# KiCad board paws60.kicad_pcb
title: Paws60; date: 2022-08-02; rev: 2; note: Copyright © 2022 HorrorTroll; note: MIT License
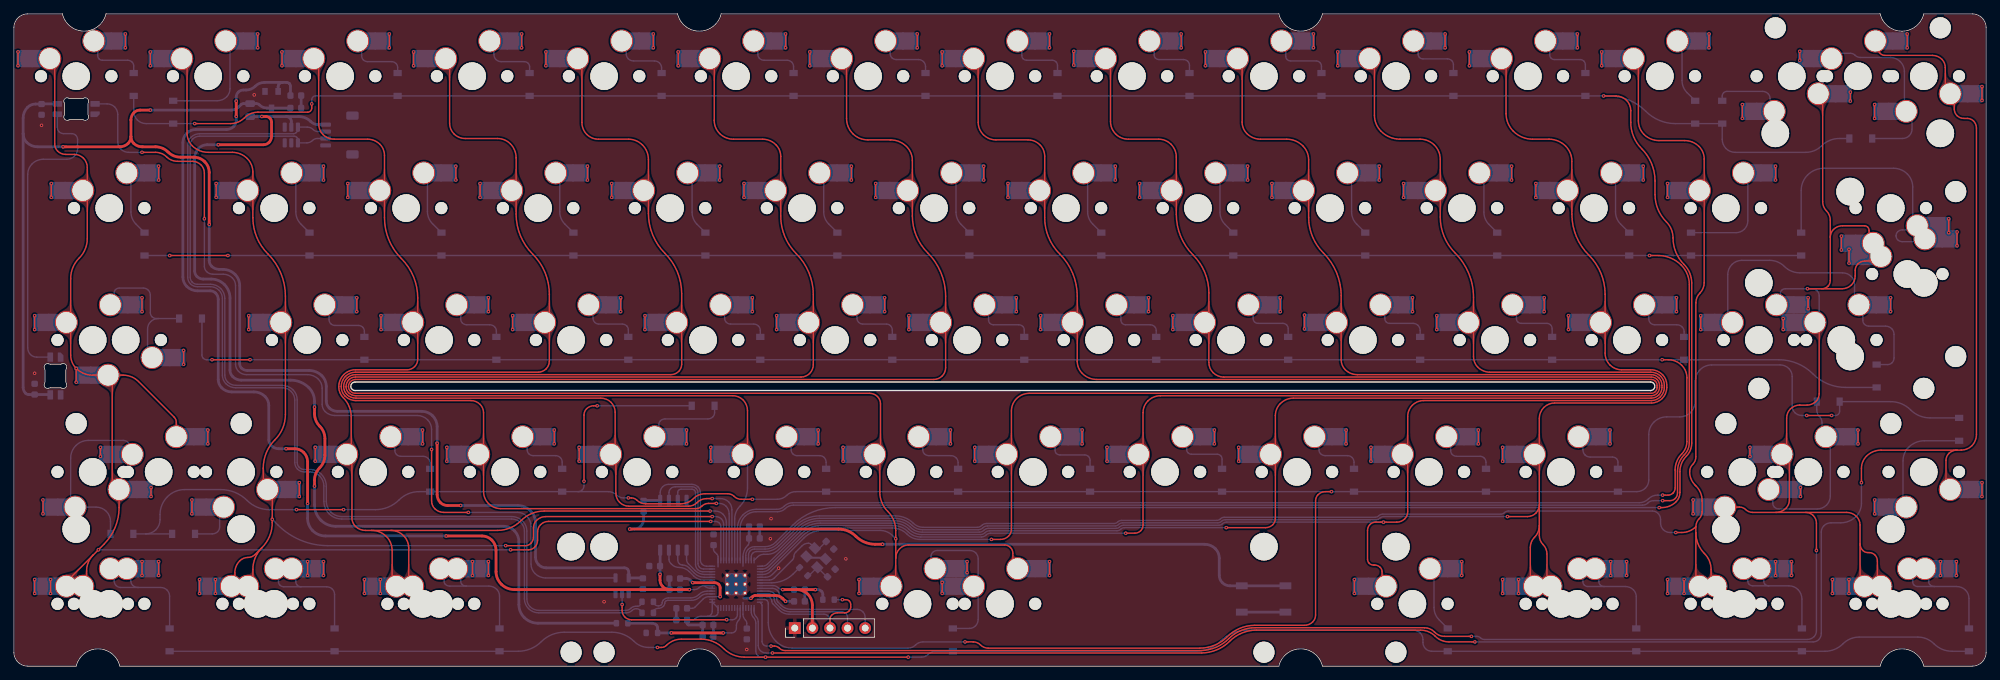
[diagram p0: board, top side]
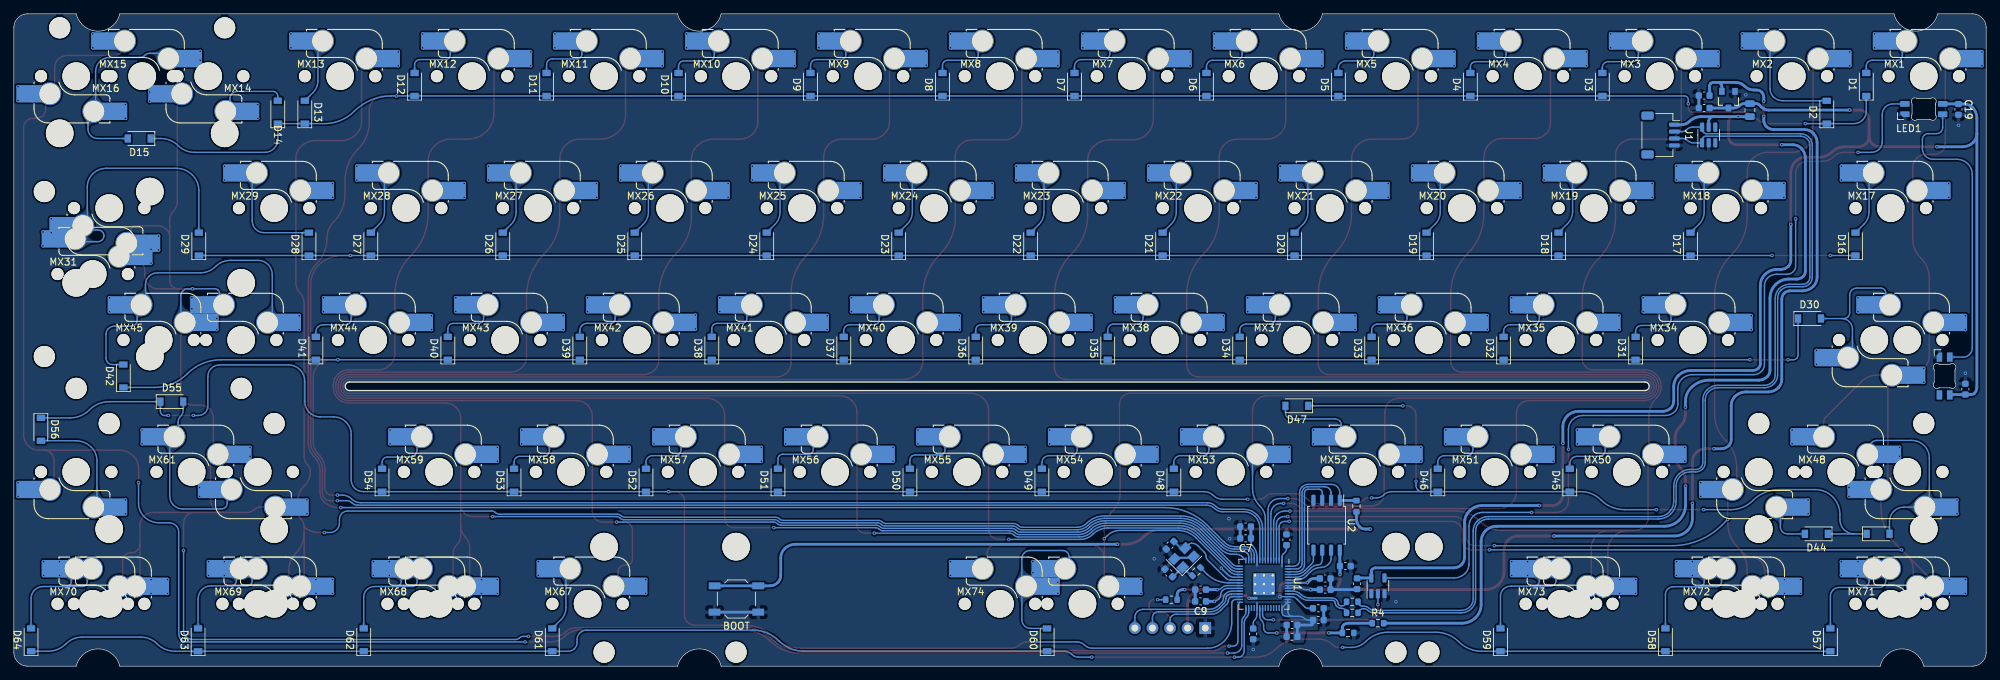
[diagram p1: board, bottom side, seen from below]

Outline 284.7 x 94.2 mm; copper layers: Top, Bottom. Coordinates in mm from the lower left corner of the outline.
Outline path: 0,92.2 arc(0.59,93.61) 2,94.2 7,94.2 arc(10.15,91.7) 13.3,94.2 95.8,94.2 arc(98.95,91.7) 102.1,94.2 182.6,94.2 arc(185.75,91.7) 188.9,94.2 269.4,94.2 arc(272.55,91.7) 275.7,94.2 282.7,94.2 arc(284.11,93.61) 284.7,92.2 284.7,2 arc(284.11,0.59) 282.7,0 275.7,0 arc(272.55,2.5) 269.4,0 188.9,0 arc(185.75,2.5) 182.6,0 102.1,0 arc(98.95,2.5) 95.8,0 15.3,0 arc(12.15,2.5) 9,0 2,0 arc(0.59,0.59) 0,2 0,92.2 ; 49.26,39.8 arc(48.64,40.42) 49.26,41.03 236.26,41.03 arc(236.87,40.42) 236.26,39.8 49.26,39.8
Stack: Top 0.035mm / dielectric 0.48mm FR4 er 4.5 / Bottom 0.035mm

## Placement (name value [footprint] x y rotation side)
BOOT  BOOT  [SW_SPST_TL3342]  180.4 9.7 0 bottom
C1  10u  [C_0603_1608Metric]  100.2 5.95 0 bottom
C2  100n  [C_0603_1608Metric]  96.4 6.65 180 bottom
C3  100n  [C_0603_1608Metric]  100.2 4.25 0 bottom
C4  100n  [C_0603_1608Metric]  105.8 4.65 270 bottom
C5  100n  [C_0603_1608Metric]  101 18.25 90 bottom
C6  100n  [C_0603_1608Metric]  106.9 20.15 0 bottom
C7  100n  [C_0603_1608Metric]  106.9 18.45 0 bottom
C8  100n  [C_0603_1608Metric]  113.4 11.05 0 bottom
C9  100n  [C_0603_1608Metric]  113.4 9.35 0 bottom
C10  100n  [C_0603_1608Metric]  96.4 8.35 180 bottom
C11  1u  [C_0603_1608Metric]  95.4 11.05 180 bottom
C12  1u  [C_0603_1608Metric]  95.4 12.65 180 bottom
C13  22p  [C_0603_1608Metric]  117.8 17.45 315 bottom
C14  22p  [C_0603_1608Metric]  118 13.45 45 bottom
C15  100n  [C_0603_1608Metric]  92.5 14.45 180 bottom
C16  1u  [C_0603_1608Metric]  40.7 80.6 0 bottom
C17  1u  [C_0603_1608Metric]  40.7 82.4 0 bottom
C18  100n  [C_0603_1608Metric]  90.8 11.9 270 bottom
C19  100n  [C_0603_1608Metric]  4 80.4 270 bottom
C20  100n  [C_0603_1608Metric]  3 40 90 bottom
D1  1N4148W  [D_SOD-123]  17.3 84 90 bottom
D2  1N4148W  [D_SOD-123]  23 80 90 bottom
D3  1N4148W  [D_SOD-123]  55.4 84 90 bottom
D4  1N4148W  [D_SOD-123]  74.45 84 90 bottom
D5  1N4148W  [D_SOD-123]  93.5 84 90 bottom
D6  1N4148W  [D_SOD-123]  112.55 84 90 bottom
D7  1N4148W  [D_SOD-123]  131.6 84 90 bottom
D8  1N4148W  [D_SOD-123]  150.65 84 90 bottom
D9  1N4148W  [D_SOD-123]  169.7 84 90 bottom
D10  1N4148W  [D_SOD-123]  188.75 84 90 bottom
D11  1N4148W  [D_SOD-123]  207.8 84 90 bottom
D12  1N4148W  [D_SOD-123]  226.85 84 90 bottom
D13  1N4148W  [D_SOD-123]  242.7 80 90 bottom
D14  1N4148W  [D_SOD-123]  246.6 80 90 bottom
D15  1N4148W  [D_SOD-123]  266.6 76.2 0 bottom
D16  1N4148W  [D_SOD-123]  18.86 60.95 90 bottom
D17  1N4148W  [D_SOD-123]  42.68 60.95 90 bottom
D18  1N4148W  [D_SOD-123]  61.73 60.95 90 bottom
D19  1N4148W  [D_SOD-123]  80.78 60.95 90 bottom
D20  1N4148W  [D_SOD-123]  99.83 60.95 90 bottom
D21  1N4148W  [D_SOD-123]  118.88 60.95 90 bottom
D22  1N4148W  [D_SOD-123]  137.93 60.95 90 bottom
D23  1N4148W  [D_SOD-123]  156.98 60.95 90 bottom
D24  1N4148W  [D_SOD-123]  176.03 60.95 90 bottom
D25  1N4148W  [D_SOD-123]  195.08 60.95 90 bottom
D26  1N4148W  [D_SOD-123]  214.13 60.95 90 bottom
D27  1N4148W  [D_SOD-123]  233.18 60.95 90 bottom
D28  1N4148W  [D_SOD-123]  242.1 60.95 90 bottom
D29  1N4148W  [D_SOD-123]  258 60.95 90 bottom
D30  1N4148W  [D_SOD-123]  25.5 50.2 180 bottom
D31  1N4148W  [D_SOD-123]  50.6 45.9 90 bottom
D32  1N4148W  [D_SOD-123]  69.65 45.9 90 bottom
D33  1N4148W  [D_SOD-123]  88.7 45.9 90 bottom
D34  1N4148W  [D_SOD-123]  107.75 45.9 90 bottom
D35  1N4148W  [D_SOD-123]  126.8 45.9 90 bottom
D36  1N4148W  [D_SOD-123]  145.85 45.9 90 bottom
D37  1N4148W  [D_SOD-123]  164.9 45.9 90 bottom
D38  1N4148W  [D_SOD-123]  183.95 45.9 90 bottom
D39  1N4148W  [D_SOD-123]  203 45.9 90 bottom
D40  1N4148W  [D_SOD-123]  222.05 45.9 90 bottom
D41  1N4148W  [D_SOD-123]  241.1 45.9 90 bottom
D42  1N4148W  [D_SOD-123]  268.89 41.9 90 bottom
D43  1N4148W  [D_SOD-123]  15.6 19.1 180 bottom
D44  1N4148W  [D_SOD-123]  24.5 19.1 0 bottom
D45  1N4148W  [D_SOD-123]  60.1 26.85 90 bottom
D46  1N4148W  [D_SOD-123]  79.15 26.85 90 bottom
D47  1N4148W  [D_SOD-123]  99.5 37.6 0 bottom
D48  1N4148W  [D_SOD-123]  117.25 26.85 90 bottom
D49  1N4148W  [D_SOD-123]  136.3 26.85 90 bottom
D50  1N4148W  [D_SOD-123]  155.35 26.85 90 bottom
D51  1N4148W  [D_SOD-123]  174.4 26.85 90 bottom
D52  1N4148W  [D_SOD-123]  193.45 26.85 90 bottom
D53  1N4148W  [D_SOD-123]  212.5 26.85 90 bottom
D54  1N4148W  [D_SOD-123]  231.55 26.85 90 bottom
D55  1N4148W  [D_SOD-123]  261.9 38.2 180 bottom
D56  1N4148W  [D_SOD-123]  280.8 34.2 270 bottom
D57  1N4148W  [D_SOD-123]  22.48 3.8 90 bottom
D58  1N4148W  [D_SOD-123]  46.29 3.8 90 bottom
D59  1N4148W  [D_SOD-123]  70.11 3.8 90 bottom
D60  1N4148W  [D_SOD-123]  135.54 3.8 90 bottom
D61  1N4148W  [D_SOD-123]  206.98 3.8 90 bottom
D62  1N4148W  [D_SOD-123]  234.19 3.8 90 bottom
D63  1N4148W  [D_SOD-123]  258.11 3.8 90 bottom
D64  1N4148W  [D_SOD-123]  282.22 3.8 90 bottom
ESD1  SRV05-4  [SOT-23-6]  40.05 76.71 90 bottom
F1  500mA  [Fuse_0805_2012Metric]  34.1 80.3 90 bottom
G***  LOGO  [Raspberry-Pi-logo-small]  163.3 7.1 180 bottom
G***#2  LOGO  [QMK-VIA-logo-small]  163.3 13.76 180 bottom
J1  USB Daughterboard  [JST_SH_SM04B-SRSS-TB_1x04-1MP_P1.00mm_Horizontal]  47 76.7 270 bottom
J2  SWD Debug  [PinHeader_1x05_P2.54mm_Vertical]  112.73 5.5 90 top
LED1  SK6812MINI-E  [LED_6028R]  9 80.45 180 bottom
LED2  SK6812MINI-E  [LED_6028R]  6 41.9 270 bottom
MX1  1u  [SW_MX_HS_1u]  9 85.2 180 bottom
MX2  1u  [SW_MX_HS_1u]  28.05 85.2 180 bottom
MX3  1u  [SW_MX_HS_1u]  47.1 85.2 180 bottom
MX4  1u  [SW_MX_HS_1u]  66.15 85.2 180 bottom
MX5  1u  [SW_MX_HS_1u]  85.2 85.2 180 bottom
MX6  1u  [SW_MX_HS_1u]  104.25 85.2 180 bottom
MX7  1u  [SW_MX_HS_1u]  123.3 85.2 180 bottom
MX8  1u  [SW_MX_HS_1u]  142.35 85.2 180 bottom
MX9  1u  [SW_MX_HS_1u]  161.4 85.2 180 bottom
MX10  1u  [SW_MX_HS_1u]  180.45 85.2 180 bottom
MX11  1u  [SW_MX_HS_1u]  199.5 85.2 180 bottom
MX12  1u  [SW_MX_HS_1u]  218.55 85.2 180 bottom
MX13  1u  [SW_MX_HS_1u]  237.6 85.2 180 bottom
MX14  1u  [SW_MX_HS_1u]  256.65 85.2 0 bottom
MX15  2u  [SW_MX_HS_1u]  266.18 85.2 180 bottom
MX16  1u  [SW_MX_HS_1u]  275.7 85.2 0 bottom
MX17  1.5u  [SW_MX_HS_1.5u]  13.76 66.15 180 bottom
MX18  1u  [SW_MX_HS_1u]  37.58 66.15 180 bottom
MX19  1u  [SW_MX_HS_1u]  56.63 66.15 180 bottom
MX20  1u  [SW_MX_HS_1u]  75.68 66.15 180 bottom
MX21  1u  [SW_MX_HS_1u]  94.73 66.15 180 bottom
MX22  1u  [SW_MX_HS_1u]  113.78 66.15 180 bottom
MX23  1u  [SW_MX_HS_1u]  132.83 66.15 180 bottom
MX24  1u  [SW_MX_HS_1u]  151.88 66.15 180 bottom
MX25  1u  [SW_MX_HS_1u]  170.93 66.15 180 bottom
MX26  1u  [SW_MX_HS_1u]  189.98 66.15 180 bottom
MX27  1u  [SW_MX_HS_1u]  209.03 66.15 180 bottom
MX28  1u  [SW_MX_HS_1u]  228.08 66.15 180 bottom
MX29  1u  [SW_MX_HS_1u]  247.13 66.15 180 bottom
MX30  1.5u  [SW_MX_HS_1.5u]  270.94 66.15 0 bottom
MX31  ISO  [SW_MX_HS_1u]  273.32 56.63 180 bottom
MX32  1.25u  [SW_MX_HS_1.75u_stp]  11.38 47.1 180 bottom
MX33  1.75u  [SW_MX_HS_1.75u]  16.14 47.1 0 bottom
MX34  1u  [SW_MX_HS_1u]  42.34 47.1 180 bottom
MX35  1u  [SW_MX_HS_1u]  61.39 47.1 180 bottom
MX36  1u  [SW_MX_HS_1u]  80.44 47.1 180 bottom
MX37  1u  [SW_MX_HS_1u]  99.49 47.1 180 bottom
MX38  1u  [SW_MX_HS_1u]  118.54 47.1 180 bottom
MX39  1u  [SW_MX_HS_1u]  137.59 47.1 180 bottom
MX40  1u  [SW_MX_HS_1u]  156.64 47.1 180 bottom
MX41  1u  [SW_MX_HS_1u]  175.69 47.1 180 bottom
MX42  1u  [SW_MX_HS_1u]  194.74 47.1 180 bottom
MX43  1u  [SW_MX_HS_1u]  213.79 47.1 180 bottom
MX44  1u  [SW_MX_HS_1u]  232.84 47.1 180 bottom
MX45  2.25u  [SW_MX_HS_1u]  263.79 47.1 180 bottom
MX46  1u  [SW_MX_HS_1u]  251.89 47.1 180 bottom
MX47  1.25u  [SW_MX_HS_1.25u]  11.38 28.05 0 bottom
MX48  2.25u  [SW_MX_HS_1u]  20.91 28.05 180 bottom
MX49  1u  [SW_MX_HS_1u]  32.81 28.05 0 bottom
MX50  1u  [SW_MX_HS_1u]  51.86 28.05 180 bottom
MX51  1u  [SW_MX_HS_1u]  70.91 28.05 180 bottom
MX52  1u  [SW_MX_HS_1u]  89.96 28.05 180 bottom
MX53  1u  [SW_MX_HS_1u]  109.01 28.05 180 bottom
MX54  1u  [SW_MX_HS_1u]  128.06 28.05 180 bottom
MX55  1u  [SW_MX_HS_1u]  147.11 28.05 180 bottom
MX56  1u  [SW_MX_HS_1u]  166.16 28.05 180 bottom
MX57  1u  [SW_MX_HS_1u]  185.21 28.05 180 bottom
MX58  1u  [SW_MX_HS_1u]  204.26 28.05 180 bottom
MX59  1u  [SW_MX_HS_1u]  223.31 28.05 180 bottom
MX60  1.75u  [SW_MX_HS_1.75u]  249.51 28.05 0 bottom
MX61  2.75u  [SW_MX_HS_1u]  259.03 28.05 180 bottom
MX62  1u  [SW_MX_HS_1u]  275.7 28.05 0 bottom
MX63  1.25u  [SW_MX_HS_1.25u]  11.38 9 180 bottom
MX64  1.25u  [SW_MX_HS_1.25u]  35.19 9 180 bottom
MX65  1.25u  [SW_MX_HS_1.25u]  59.01 9 180 bottom
MX66  6.25u  [SW_MX_HS_1u]  130.44 9 180 bottom
MX67  1.25u  [SW_MX_HS_1.25u]  201.88 9 180 bottom
MX68  1.25u  [SW_MX_HS_1.25u]  225.69 9 180 bottom
MX69  1.25u  [SW_MX_HS_1.25u]  249.51 9 180 bottom
MX70  1.25u  [SW_MX_HS_1.25u]  273.32 9 180 bottom
MX71  1.5u  [SW_MX_HS_1.5u]  13.76 9 180 bottom
MX72  1u  [SW_MX_HS_1u]  37.58 9 180 bottom
MX73  1.5u  [SW_MX_HS_1.5u]  61.39 9 180 bottom
MX74  7u  [SW_MX_HS_1u]  142.35 9 180 bottom
MX75  1.5u  [SW_MX_HS_1.5u]  223.31 9 180 bottom
MX76  1u  [SW_MX_HS_1u]  247.13 9 180 bottom
MX77  1.5u  [SW_MX_HS_1.5u]  270.94 9 180 bottom
R1  10K  [R_0603_1608Metric]  117.6 9.6 0 bottom
R2  1K  [R_0603_1608Metric]  114 13.65 315 bottom
R3  1K  [R_0603_1608Metric]  90.9 23.1 90 bottom
R4  2K2  [R_0603_1608Metric]  87.8 6.2 0 bottom
R5  5K1  [R_0603_1608Metric]  92.1 4.8 180 bottom
R6  27R  [R_0603_1608Metric]  91.5 9.3 180 bottom
R7  27R  [R_0603_1608Metric]  91.5 7.7 180 bottom
RG1  XC6206P332MR  [Torex-XC6206P332MR]  37.2 81.8 270 bottom
S1  2u  [STAB_MX_2u]  266.18 85.2 0 top
S2  2.25u  [STAB_MX_2.25u]  263.79 47.1 180 top
S3  ISO  [STAB_MX_ISO_FLIPPED]  273.32 56.63 0 top
S4  2.25u  [STAB_MX_2.25u]  20.91 28.05 0 top
S5  2.75u  [STAB_MX_2.75u]  259.03 28.05 0 top
S6  6.25u  [STAB_MX_6.25u]  130.44 9 0 bottom
S7  7u  [STAB_MX_7u]  142.35 9 0 bottom
U1  RP2040  [RP2040-QFN-56]  104.25 11.83 270 bottom
U2  W25Q128JVS  [SOIC-8_5.23x5.23mm_P1.27mm]  95.2 20.35 270 bottom
U3  74LVC1G17  [SOT-23-5]  87.8 11.6 90 bottom
Y1  12Mhz  [Crystal_SMD_3225-4Pin_3.2x2.5mm]  115.8 15.65 135 bottom

## Library data of the parts
BOOT = -: LCSC Part Number: C2886894
C1-C20 = -: Description: Unpolarized capacitor
D1-D64 = -: Description: Diode; LCSC Part Number: C115103
ESD1 = -: Description: ESD Protection Diodes with Low Clamping Voltage, SOT-23-6
F1 = -: Description: Resettable fuse, polymeric positive temperature coefficient
J1 = -: Description: Generic connector, single row, 01x04, script generated (kicad-library-utils/schlib/autogen/connector/)
J2 = -: Description: Generic connector, single row, 01x05, script generated (kicad-library-utils/schlib/autogen/connector/)
LED1 LED2 = -: Description: Reverse mount adressable LED (WS2812 protocol); Field4: 1
MX1-MX77 = -: Description: Push button switch, normally open, two pins, 45° tilted
R1-R7 = -: Description: Resistor
RG1 = -: LCSC Part Number: C5446
S1-S7 = -: Description: Cherry MX-style stabilizer
U2 = -: Description: 128Mb Serial Flash Memory, Standard/Dual/Quad SPI, SOIC-8; LCSC Part Number: C113767
U3 = -: Description: Single Schmitt Buffer Gate, Low-Voltage CMOS; LCSC: C7484
Y1 = -: Description: Four pin crystal, GND on pins 2 and 4

## Footprints (pads in the part's own frame, mm; a bottom-side part is the same pattern mirrored in y, then rotated)
C_0603_1608Metric
  rrect 0.9x0.95 smd: 1(-0.775,0) 2(0.775,0)
Crystal_SMD_3225-4Pin_3.2x2.5mm
  rect 1.4x1.2 smd: 1(-1.1,-0.85) 2(1.1,-0.85) 3(1.1,0.85) 4(-1.1,0.85)
D_SOD-123
  rect 0.9x1.2 smd: 1(-1.65,0) 2(1.65,0)
Fuse_0805_2012Metric
  rrect 0.975x1.4 smd: 1(-0.938,0) 2(0.938,0)
JST_SH_SM04B-SRSS-TB_1x04-1MP_P1.00mm_Horizontal
  rrect 0.6x1.55 smd: 1(-1.5,2) 2(-0.5,2) 3(0.5,2) 4(1.5,2)
  rrect 1.2x1.8 smd: MP(-2.8,-1.875) MP(2.8,-1.875)
LED_6028R
  rrect 1.35x0.82 smd: 1(2.725,0.75) 2(2.725,-0.75) 3(-2.725,0.75) 4(-2.725,-0.75)
PinHeader_1x05_P2.54mm_Vertical
  rect 1.7x1.7 hole 1: 1(0,0)
  oval 1.7x1.7 hole 1: 2(0,-2.54) 3(0,-5.08) 4(0,-7.62) 5(0,-10.16)
R_0603_1608Metric
  rrect 0.8x0.95 smd: 1(-0.825,0) 2(0.825,0)
RP2040-QFN-56
  rrect 1.084x1.084 smd: (-0.637,-0.637) (-0.637,0.637) (0.637,-0.637) (0.637,0.637)
  rrect 0.875x0.2 smd: 1(-3.438,2.6) 2(-3.438,2.2) 3(-3.438,1.8) 4(-3.438,1.4) 5(-3.438,1) 6(-3.438,0.6) 7(-3.438,0.2) 8(-3.438,-0.2) 9(-3.438,-0.6) 10(-3.438,-1) 11(-3.438,-1.4) 12(-3.438,-1.8) 13(-3.438,-2.2) 14(-3.438,-2.6) 29(3.438,-2.6) 30(3.438,-2.2) 31(3.438,-1.8) 32(3.438,-1.4) 33(3.438,-1) 34(3.438,-0.6) 35(3.438,-0.2) 36(3.438,0.2) 37(3.438,0.6) 38(3.438,1) 39(3.438,1.4) 40(3.438,1.8) 41(3.438,2.2) 42(3.438,2.6)
  rrect 0.2x0.875 smd: 15(-2.6,-3.438) 16(-2.2,-3.438) 17(-1.8,-3.438) 18(-1.4,-3.438) 19(-1,-3.438) 20(-0.6,-3.438) 21(-0.2,-3.438) 22(0.2,-3.438) 23(0.6,-3.438) 24(1,-3.438) 25(1.4,-3.438) 26(1.8,-3.438) 27(2.2,-3.438) 28(2.6,-3.438) 43(2.6,3.438) 44(2.2,3.438) 45(1.8,3.438) 46(1.4,3.438) 47(1,3.438) 48(0.6,3.438) 49(0.2,3.438) 50(-0.2,3.438) 51(-0.6,3.438) 52(-1,3.438) 53(-1.4,3.438) 54(-1.8,3.438) 55(-2.2,3.438) 56(-2.6,3.438)
  round 0.6 hole 0.35: 57(-1.275,-1.275) 57(-1.275,0) 57(-1.275,1.275) 57(0,-1.275) 57(0,0) 57(0,1.275) 57(1.275,-1.275) 57(1.275,0) 57(1.275,1.275)
  rrect 3.2x3.2 smd: 57(0,0)
SOIC-8_5.23x5.23mm_P1.27mm
  rrect 1.6x0.6 smd: 1(-3.6,1.905) 2(-3.6,0.635) 3(-3.6,-0.635) 4(-3.6,-1.905) 5(3.6,-1.905) 6(3.6,-0.635) 7(3.6,0.635) 8(3.6,1.905)
SOT-23-5
  rrect 1.325x0.6 smd: 1(-1.137,0.95) 2(-1.137,0) 3(-1.137,-0.95) 4(1.137,-0.95) 5(1.137,0.95)
SOT-23-6
  rrect 1.325x0.6 smd: 1(-1.137,0.95) 2(-1.137,0) 3(-1.137,-0.95) 4(1.137,-0.95) 5(1.137,0) 6(1.137,0.95)
STAB_MX_2.25u
  round 3.048 hole 3.048 unplated: (-11.906,6.985) (11.906,6.985)
  round 3.988 hole 3.988 unplated: (-11.906,-8.255) (11.906,-8.255)
STAB_MX_2.75u
  round 3.048 hole 3.048 unplated: (-11.906,6.985) (11.906,6.985)
  round 3.988 hole 3.988 unplated: (-11.906,-8.255) (11.906,-8.255)
STAB_MX_2u
  round 3.048 hole 3.048 unplated: (-11.906,6.985) (11.906,6.985)
  round 3.988 hole 3.988 unplated: (-11.906,-8.255) (11.906,-8.255)
STAB_MX_6.25u
  round 3.988 hole 3.988 unplated: (-50.006,-8.255) (50.006,-8.255)
  round 3.048 hole 3.048 unplated: (-50.006,6.985) (50.006,6.985)
STAB_MX_7u
  round 3.988 hole 3.988 unplated: (-57.15,-8.255) (57.15,-8.255)
  round 3.048 hole 3.048 unplated: (-57.15,6.985) (57.15,6.985)
STAB_MX_ISO_FLIPPED
  round 3.988 hole 3.988 unplated: (-8.255,11.906) (-8.255,-11.906)
  round 3.048 hole 3.048 unplated: (6.985,11.906) (6.985,-11.906)
SW_MX_HS_1.5u
  round 1.75 hole 1.75 unplated: (-5.08,0) (5.08,0)
  round 3.988 hole 3.988 unplated: (0,0)
  round 3.3 hole 3: 1(3.81,2.54) 2(-2.54,5.08)
  rect 1.65x2.5 smd: 1(5.635,2.54) 2(-4.34,5.08)
  rrect 2.55x2.5 smd: 1(7.36,2.54) 2(-6.09,5.08)
SW_MX_HS_1.25u
  round 1.75 hole 1.75 unplated: (-5.08,0) (5.08,0)
  round 3.988 hole 3.988 unplated: (0,0)
  round 3.3 hole 3: 1(3.81,2.54) 2(-2.54,5.08)
  rect 1.65x2.5 smd: 1(5.635,2.54) 2(-4.34,5.08)
  rrect 2.55x2.5 smd: 1(7.36,2.54) 2(-6.09,5.08)
SW_MX_HS_1.75u
  round 1.75 hole 1.75 unplated: (-5.08,0) (5.08,0)
  round 3.988 hole 3.988 unplated: (0,0)
  round 3.3 hole 3: 1(3.81,2.54) 2(-2.54,5.08)
  rect 1.65x2.5 smd: 1(5.635,2.54) 2(-4.34,5.08)
  rrect 2.55x2.5 smd: 1(7.36,2.54) 2(-6.09,5.08)
SW_MX_HS_1.75u_stp
  round 1.75 hole 1.75 unplated: (-5.08,0) (5.08,0)
  round 3.988 hole 3.988 unplated: (0,0)
  round 3.3 hole 3: 1(3.81,2.54) 2(-2.54,5.08)
  rect 1.65x2.5 smd: 1(5.635,2.54) 2(-4.34,5.08)
  rrect 2.55x2.5 smd: 1(7.36,2.54) 2(-6.09,5.08)
SW_MX_HS_1u
  round 1.75 hole 1.75 unplated: (-5.08,0) (5.08,0)
  round 3.988 hole 3.988 unplated: (0,0)
  round 3.3 hole 3: 1(3.81,2.54) 2(-2.54,5.08)
  rect 1.65x2.5 smd: 1(5.635,2.54) 2(-4.34,5.08)
  rrect 2.55x2.5 smd: 1(7.36,2.54) 2(-6.09,5.08)
SW_SPST_TL3342
  rect 1.7x1 smd: 1(-3.15,1.9) 1(3.15,1.9) 2(-3.15,-1.9) 2(3.15,-1.9)
Torex-XC6206P332MR
  rect 1x0.8 smd: 1(-1.2,0.95) 2(-1.2,-0.95) 3(1.2,0)

## Nets
+1V1: C9.1 C10.1 C12.1 U1.23 U1.45 U1.50
+3V3: C1.1 C2.1 C3.1 C4.1 C5.1 C6.1 C7.1 C8.1 C11.1 C15.1 C17.1 J2.2 R1.1 RG1.2 U1.1 U1.10 U1.22 U1.33 U1.42 U1.43 U1.44 U1.48 U1.49 U2.8
+5V: C16.1 C18.1 C19.1 C20.1 F1.2 LED1.1 LED2.1 RG1.3 U3.5
/VBUS_DETECT: R4.2 R5.1 U1.34
GND: BOOT.1 C1.2 C2.2 C3.2 C4.2 C5.2 C6.2 C7.2 C8.2 C9.2 C10.2 C11.2 C12.2 C13.2 C14.2 C15.2 C16.2 C17.2 C18.2 C19.2 C20.2 ESD1.2 J1.4 J2.1 LED1.4 LED2.4 R5.2 RG1.1 U1.19 U1.57 U2.4 U3.3 Y1.2 Y1.4
VBUS: ESD1.5 F1.1 J1.1 R4.1
/DM: ESD1.6 J1.2 R7.2
/DP: ESD1.1 J1.3 R6.2
/~{USB_BOOT}: BOOT.2 R3.1
ARGB_3V3: U1.35 U3.2
ARGB_5V: LED1.3 U3.4
Col0: MX1.1 MX17.1 MX32.1 MX33.2 MX47.1 MX48.2 MX63.1 MX71.1 U1.2
Col1: MX2.1 MX18.1 MX34.1 MX49.1 MX64.1 MX72.1 U1.3
Col2: MX3.1 MX19.1 MX35.1 MX50.1 MX65.1 MX73.1 U1.4
Col3: MX4.1 MX20.1 MX36.1 MX51.1 U1.5
Col4: MX5.1 MX21.1 MX37.1 MX52.1 U1.6
Col5: MX6.1 MX22.1 MX38.1 MX53.1 U1.7
Col6: MX7.1 MX23.1 MX39.1 MX54.1 MX66.1 MX74.2 U1.18
Col7: MX8.1 MX24.1 MX40.1 MX55.1 U1.17
Col8: MX9.1 MX25.1 MX41.1 MX56.1 U1.16
Col9: MX10.1 MX26.1 MX42.1 MX57.1 U1.15
Col10: MX11.1 MX27.1 MX43.1 MX58.1 MX67.1 U1.14
Col11: MX12.1 MX28.1 MX44.1 MX59.1 MX68.1 MX75.1 U1.13
Col12: MX13.1 MX29.1 MX69.1 MX76.1 U1.12
Col13: MX14.1 MX30.2 MX31.1 MX45.1 MX46.2 MX60.2 MX61.1 MX70.1 MX77.1 U1.28
Col14: MX15.2 MX16.1 MX62.1 U1.29
D+: R6.1 U1.47
D-: R7.1 U1.46
FLASH_nCS: R3.2 U1.56 U2.1
FLASH_SCK: U1.52 U2.6
FLASH_SD0: U1.53 U2.5
FLASH_SD1: U1.55 U2.2
FLASH_SD2: U1.54 U2.3
FLASH_SD3: U1.51 U2.7
Row0: D1.1 D2.1 D3.1 D4.1 D5.1 D6.1 D7.1 D8.1 D9.1 D10.1 D11.1 D12.1 D13.1 D14.1 D15.1 U1.11
Row1: D16.1 D17.1 D18.1 D19.1 D20.1 D21.1 D22.1 D23.1 D24.1 D25.1 D26.1 D27.1 D28.1 D29.1 U1.9
Row2: D30.1 D31.1 D32.1 D33.1 D34.1 D35.1 D36.1 D37.1 D38.1 D39.1 D40.1 D41.1 D42.1 U1.8
Row3: D43.1 D44.1 D45.1 D46.1 D47.1 D48.1 D49.1 D50.1 D51.1 D52.1 D53.1 D54.1 D55.1 D56.1 U1.27
Row4: D57.1 D58.1 D59.1 D60.1 D61.1 D62.1 D63.1 D64.1 U1.30
SWCLK: J2.5 U1.24
SWDIO: J2.4 U1.25
XTAL1: C13.1 U1.20 Y1.3
XTAL2: R2.1 U1.21
~{NRST}: J2.3 R1.2 U1.26
Net-(C14-Pad1): C14.1 R2.2 Y1.1
Net-(D1-A): D1.2 MX1.2
Net-(D2-A): D2.2 MX2.2
Net-(D3-A): D3.2 MX3.2
Net-(D4-A): D4.2 MX4.2
Net-(D5-A): D5.2 MX5.2
Net-(D6-A): D6.2 MX6.2
Net-(D7-A): D7.2 MX7.2
Net-(D8-A): D8.2 MX8.2
Net-(D9-A): D9.2 MX9.2
Net-(D10-A): D10.2 MX10.2
Net-(D11-A): D11.2 MX11.2
Net-(D12-A): D12.2 MX12.2
Net-(D13-A): D13.2 MX13.2
Net-(D14-A): D14.2 MX14.2
Net-(D15-A): D15.2 MX15.1 MX16.2
Net-(D16-A): D16.2 MX17.2
Net-(D17-A): D17.2 MX18.2
Net-(D18-A): D18.2 MX19.2
Net-(D19-A): D19.2 MX20.2
Net-(D20-A): D20.2 MX21.2
Net-(D21-A): D21.2 MX22.2
Net-(D22-A): D22.2 MX23.2
Net-(D23-A): D23.2 MX24.2
Net-(D24-A): D24.2 MX25.2
Net-(D25-A): D25.2 MX26.2
Net-(D26-A): D26.2 MX27.2
Net-(D27-A): D27.2 MX28.2
Net-(D28-A): D28.2 MX29.2
Net-(D29-A): D29.2 MX30.1 MX31.2
Net-(D30-A): D30.2 MX32.2 MX33.1
Net-(D31-A): D31.2 MX34.2
Net-(D32-A): D32.2 MX35.2
Net-(D33-A): D33.2 MX36.2
Net-(D34-A): D34.2 MX37.2
Net-(D35-A): D35.2 MX38.2
Net-(D36-A): D36.2 MX39.2
Net-(D37-A): D37.2 MX40.2
Net-(D38-A): D38.2 MX41.2
Net-(D39-A): D39.2 MX42.2
Net-(D40-A): D40.2 MX43.2
Net-(D41-A): D41.2 MX44.2
Net-(D42-A): D42.2 MX45.2 MX46.1
Net-(D43-A): D43.2 MX47.2 MX48.1
Net-(D44-A): D44.2 MX49.2
Net-(D45-A): D45.2 MX50.2
Net-(D46-A): D46.2 MX51.2
Net-(D47-A): D47.2 MX52.2
Net-(D48-A): D48.2 MX53.2
Net-(D49-A): D49.2 MX54.2
Net-(D50-A): D50.2 MX55.2
Net-(D51-A): D51.2 MX56.2
Net-(D52-A): D52.2 MX57.2
Net-(D53-A): D53.2 MX58.2
Net-(D54-A): D54.2 MX59.2
Net-(D55-A): D55.2 MX60.1 MX61.2
Net-(D56-A): D56.2 MX62.2
Net-(D57-A): D57.2 MX63.2 MX71.2
Net-(D58-A): D58.2 MX64.2 MX72.2
Net-(D59-A): D59.2 MX65.2 MX73.2
Net-(D60-A): D60.2 MX66.2 MX74.1
Net-(D61-A): D61.2 MX67.2
Net-(D62-A): D62.2 MX68.2 MX75.2
Net-(D63-A): D63.2 MX69.2 MX76.2
Net-(D64-A): D64.2 MX70.2 MX77.2
Net-(LED1-DOUT): LED1.2 LED2.3

Pads without a net: ESD1 3 4; J1 MP; LED2 2; U1 31 32 36 37 38 39 40 41; U3 1

## Via types
v1: diameter 0.5, hole 0.25, Top to Bottom, 398 vias

## Routing (per net, layer and track width the routed paths; a pad name or vN(x,y) marks a point on that pad's centre or on a via; arc(x,y) is an arc through that point)
+1V1: length 28.8
  Top w0.4: v1(101.95,10.03) 101.95,11.32 arc(101.9,11.58) 101.75,11.8 arc(101.47,11.99) 101.14,12.05 v1(98,12.05) ; v1(111.4,9.35) 110.99,9.77 arc(110.5,10.09) 109.93,10.2 107.01,10.2 arc(106.82,10.17) 106.66,10.06 v1(106.4,9.8)
  Bottom w0.2: U1.50 98.02,12.03 v1(98,12.05) ; C10.1 97.95,8.35 arc(98.14,8.39) 98.3,8.5 99.47,9.67 arc(99.87,9.94) 100.35,10.03 U1.45 101.91,10.03 v1(101.95,10.03) 101.92,10.03 101.92,10.03 ; U1.23 109.48,11.23 arc(109.89,11.15) 110.23,10.92 arc(110.43,10.62) 110.5,10.27 arc(110.56,9.98) 110.73,9.73 arc(111.14,9.45) 111.63,9.35 v1(111.4,9.35)
  Bottom w0.4: v1(111.4,9.35) C9.1 ; 105.36,9.81 106.39,9.81 v1(106.4,9.8) ; v1(98,12.05) 97.63,12.43 arc(97.38,12.59) 97.08,12.65 C12.1
+3V3: length 214.6
  Top w0.4: 94.72,11.05 72.27,11.05 arc(71.23,11.26) 70.35,11.85 arc(69.8,12.68) 69.6,13.66 69.6,16.74 arc(69.44,17.53) 68.99,18.21 arc(68.34,18.65) 67.56,18.8 v1(62.4,18.8) ; 94.72,11.05 v1(97.5,11.05) ; 94.72,11.05 arc(94.15,11.17) 93.66,11.49 arc(93.37,11.92) 93.27,12.42 v1(93.27,13.26) ; v1(42.4,23.5) 42.4,29.52 arc(42.26,30.24) 41.85,30.85 arc(41.24,31.26) 40.53,31.4 v1(39.3,31.4) ; 113.01,11.05 115.65,11.05 ; 113.01,11.05 v1(111,11.05) ; 113.01,11.05 arc(113.87,10.88) 114.61,10.39 arc(115.09,9.66) 115.27,8.81 J2.2 ; 115.65,11.05 v1(115.69,11.05) 115.65,11.05 ; v1(32.1,81.6) v1(32.1,79.4)
  Bottom w0.2: U1.43 U1.42 101.65,7.79 arc(101.61,7.57) 101.48,7.38 arc(101.28,7.25) 101.04,7.2 100.14,7.2 ; U1.43 100.81,7.94 arc(100.75,7.64) 100.58,7.38 arc(100.38,7.25) 100.14,7.2 ; U1.43 U1.44 ; 101.65,14.35 101.65,15.8 arc(101.61,15.99) 101.5,16.15 101.14,16.51 arc(101.04,16.67) 101,16.85 C5.1 ; v1(97.5,11.05) 98.23,11.05 arc(98.61,11.13) 98.93,11.34 arc(99.25,11.56) 99.63,11.63 ; 105.25,14.45 105.25,15.78 arc(105.43,16.68) 105.94,17.44 arc(106.08,17.65) 106.13,17.89 C7.1 ; 100.14,7.2 99.19,7.2 arc(98.74,7.11) 98.35,6.85 arc(98.13,6.7) 97.88,6.65 C2.1 ; v1(111,11.05) 110.99,11.05 arc(110.63,11.12) 110.33,11.33 arc(109.99,11.55) 109.58,11.63 U1.22 ; C4.1 105.8,5.43 105.8,6.19 arc(105.74,6.44) 105.6,6.65 arc(105.34,7.04) 105.25,7.5 U1.33 105.25,9.2 ; 99.63,11.63 U1.49 U1.48 100.6,11.23 arc(100.08,11.34) 99.63,11.63
  Bottom w0.4: v1(39.3,31.4) 38.23,31.4 arc(37.65,31.52) 37.15,31.85 arc(36.89,32.24) 36.8,32.7 36.8,37.65 arc(36.66,38.34) 36.27,38.93 arc(35.53,39.43) 34.65,39.6 31.45,39.6 arc(30.66,39.76) 30,40.2 arc(29.63,40.75) 29.5,41.41 29.5,52.98 arc(29.4,53.46) 29.13,53.87 arc(28.76,54.11) 28.33,54.2 26.51,54.2 arc(25.67,54.37) 24.95,54.85 arc(24.54,55.46) 24.4,56.18 24.4,75.6 arc(24.55,76.34) 24.96,76.96 arc(25.56,77.36) 26.26,77.5 30.69,77.5 arc(31.25,77.61) 31.73,77.93 arc(32,78.34) 32.1,78.82 v1(32.1,79.4) ; 38.77,84.3 39.39,84.3 arc(39.58,84.26) 39.75,84.15 39.78,84.12 arc(39.89,83.96) 39.93,83.77 39.93,82.4 ; 38.77,84.3 36.17,84.3 arc(35.46,84.16) 34.85,83.75 arc(34.24,83.34) 33.52,83.2 33.12,83.2 arc(32.73,83.12) 32.4,82.9 arc(32.18,82.57) 32.1,82.18 v1(32.1,81.6) ; 38.77,84.3 arc(38.52,84.25) 38.31,84.11 arc(38.19,83.93) 38.15,83.73 RG1.2 ; v1(97.5,11.05) C11.1 ; v1(111,11.05) C8.1 ; 116.78,9.6 116.78,10.38 arc(116.73,10.61) 116.6,10.8 arc(116.32,10.99) 115.99,11.05 v1(115.69,11.05) ; C3.1 C1.1 97.4,5.95 arc(97.24,6.02) 97.18,6.18 C2.1 97.18,6.28 ; C6.1 C7.1 ; U2.8 93.3,14.47 C15.1 v1(93.27,13.26) ; v1(42.4,23.5) 42.4,21.34 arc(42.59,20.38) 43.13,19.57 arc(43.98,19) 44.98,18.8 v1(62.4,18.8)